# KiCad board panel_r0.1.kicad_pcb (continued)
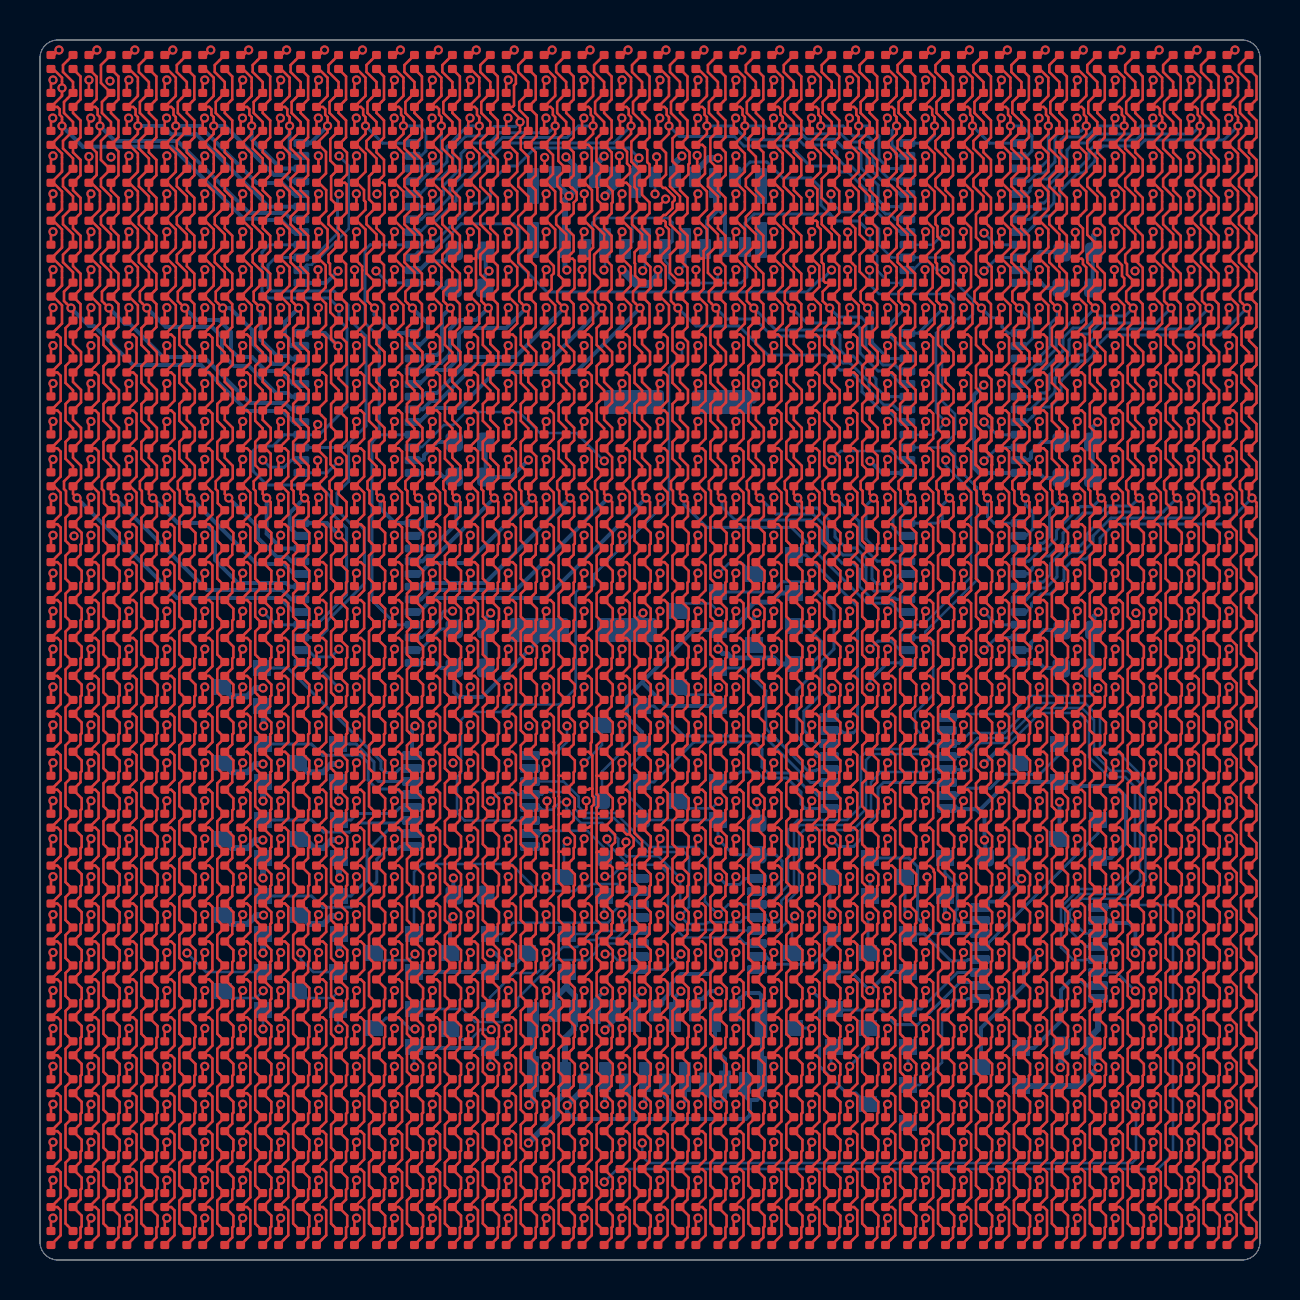
[diagram p0: board, top side]
## Routing (per net, layer and track width the routed paths; a pad name or vN(x,y) marks a point on that pad's centre or on a via; arc(x,y) is an arc through that point) (continued)
  Bottom w0.15: U10.6 42.77,52.03 42.5,52.3 42.28,52.3 41.62,52.97 41.62,53.63 40.55,54.7 40.25,54.7 39.85,55.1 39.85,55.4 39.5,55.75 38.2,55.75 37.94,56.01 35.35,56.01 34.66,56.7 v1(33.35,56.7)
COL_BA18: length 87.3
  Top w0.127: D19.4 34.81,59.55 35.24,59.12 35.24,58.21 D51.4 35.01,57.65 35.13,57.54 35.13,57.26 35.24,57.14 v1(35.24,56.7) 35.24,56.31 D83.4 34.81,55.76 35.24,55.32 35.24,54.41 D115.4 34.81,53.86 35.24,53.43 35.24,52.52 D147.4 34.81,51.96 35.24,51.53 35.24,50.62 D179.4 34.81,50.07 35.24,49.63 35.24,48.72 D211.4 ; 34.81,48.17 35.24,47.74 35.24,46.83 D243.4 35.01,46.27 35.17,46.11 35.17,44.86 D275.4 35.01,44.38 35.17,44.21 35.17,42.96 D307.4 35.01,42.48 35.17,42.32 35.17,41.07 D339.4 35.01,40.58 35.17,40.42 35.17,39.17 D371.4 34.86,38.69 35.17,38.37 35.17,37.27 D403.4 35.01,36.79 35.17,36.63 35.17,35.38 D435.4 35.01,34.89 35.17,34.73 35.17,33.48 D467.4 35.01,33 35.17,32.83 35.17,31.58 D499.4 35.01,31.1 35.17,30.94 35.17,29.69 D531.4 35.01,29.2 35.17,29.04 35.17,27.79 D563.4 35.01,27.31 35.17,27.14 35.17,25.89 D595.4 35.01,25.41 35.17,25.25 35.17,24 D627.4 35.01,23.51 35.17,23.35 35.17,22.1 D659.4 35.01,21.62 35.17,21.45 35.17,20.2 D691.4 35.01,19.72 35.17,19.56 35.17,18.31 D723.4 35.01,17.82 35.17,17.66 35.17,16.41 D755.4 35.01,15.93 35.17,15.76 35.17,14.51 D787.4 35.01,14.03 35.17,13.87 35.17,12.62 D819.4 35.01,12.13 35.17,11.97 35.17,10.72 D851.4 35.01,10.24 35.17,10.07 35.17,8.82 D883.4 35.01,8.34 35.17,8.18 35.17,6.93 D915.4 35.01,6.44 35.17,6.28 35.17,5.03 D947.4 35.01,4.54 35.17,4.38 35.17,3.13 D979.4 35.01,2.65 35.17,2.49 35.17,1.23 D1011.4
  Bottom w0.15: U10.7 42.26,52.67 41.91,53.01 41.91,53.74 41.05,54.6 41.05,55.5 40.95,55.6 40.17,55.6 39.74,56.04 38.34,56.04 38.07,56.31 36.61,56.31 36.22,56.7 v1(35.24,56.7)
COL_BA19: length 84.7
  Top w0.127: D20.4 36.7,59.55 37.14,59.12 37.14,58.21 D52.4 36.91,57.65 37.02,57.54 37.02,57.26 37.14,57.14 v1(37.14,56.7) 37.14,56.31 D84.4 36.7,55.76 37.14,55.32 37.14,54.41 D116.4 36.7,53.86 37.14,53.43 37.14,52.52 D148.4 36.7,51.96 37.14,51.53 37.14,50.62 D180.4 36.7,50.07 37.14,49.63 37.14,48.72 D212.4 ; 36.7,48.17 37.14,47.74 37.14,46.83 D244.4 36.91,46.27 37.07,46.11 37.07,44.86 D276.4 36.91,44.38 37.07,44.21 37.07,42.96 D308.4 36.91,42.48 37.07,42.32 37.07,41.07 D340.4 36.91,40.58 37.07,40.42 37.07,39.17 D372.4 36.75,38.69 37.07,38.37 37.07,37.27 D404.4 36.91,36.79 37.07,36.63 37.07,35.38 D436.4 36.91,34.89 37.07,34.73 37.07,33.48 D468.4 36.91,33 37.07,32.83 37.07,31.58 D500.4 36.91,31.1 37.07,30.94 37.07,29.69 D532.4 36.91,29.2 37.07,29.04 37.07,27.79 D564.4 36.91,27.31 37.07,27.14 37.07,25.89 D596.4 36.91,25.41 37.07,25.25 37.07,24 D628.4 36.91,23.51 37.07,23.35 37.07,22.1 D660.4 36.91,21.62 37.07,21.45 37.07,20.2 D692.4 36.91,19.72 37.07,19.56 37.07,18.31 D724.4 36.91,17.82 37.07,17.66 37.07,16.41 D756.4 36.91,15.93 37.07,15.76 37.07,14.51 D788.4 36.91,14.03 37.07,13.87 37.07,12.62 D820.4 36.91,12.13 37.07,11.97 37.07,10.72 D852.4 36.91,10.24 37.07,10.07 37.07,8.82 D884.4 36.91,8.34 37.07,8.18 37.07,6.93 D916.4 36.91,6.44 37.07,6.28 37.07,5.03 D948.4 36.91,4.54 37.07,4.38 37.07,3.13 D980.4 36.91,2.65 37.07,2.49 37.07,1.23 D1012.4
  Bottom w0.15: U10.8 42.97,53.3 42.57,53.7 42.35,53.7 41.35,54.71 41.35,55.7 41.15,55.9 40.45,55.9 40.04,56.31 38.41,56.31 38.02,56.7 v1(37.14,56.7)
COL_BA20: length 82.2
  Top w0.127: D21.4 38.6,59.55 39.04,59.12 39.04,58.21 D53.4 38.81,57.65 38.92,57.54 38.92,57.26 39.04,57.14 v1(39.04,56.7) 39.04,56.38 38.6,55.94 38.6,55.76 39.04,55.32 39.04,54.41 D117.4 38.54,53.86 38.87,53.53 38.87,52.35 D149.4 38.81,51.96 38.87,51.9 38.87,51.69 39.04,51.53 39.04,50.62 38.6,50.18 38.6,50.07 38.97,49.7 38.97,48.65 D213.4 ; 38.6,48.17 39.04,47.74 39.04,46.83 D245.4 38.81,46.27 38.97,46.11 38.97,44.86 D277.4 38.81,44.38 38.97,44.21 38.97,42.96 D309.4 38.81,42.48 38.97,42.32 38.97,41.07 D341.4 38.81,40.58 38.97,40.42 38.97,39.17 D373.4 38.65,38.69 38.97,38.37 38.97,37.27 D405.4 38.81,36.79 38.97,36.63 38.97,35.38 D437.4 38.81,34.89 38.97,34.73 38.97,33.48 D469.4 38.81,33 38.97,32.83 38.97,31.58 D501.4 38.81,31.1 38.97,30.94 38.97,29.69 D533.4 38.81,29.2 38.97,29.04 38.97,27.79 D565.4 38.81,27.31 38.97,27.14 38.97,25.89 D597.4 38.81,25.41 38.97,25.25 38.97,24 D629.4 38.81,23.51 38.97,23.35 38.97,22.1 D661.4 38.81,21.62 38.97,21.45 38.97,20.2 D693.4 38.81,19.72 38.97,19.56 38.97,18.31 D725.4 38.81,17.82 38.97,17.66 38.97,16.41 D757.4 38.81,15.93 38.97,15.76 38.97,14.51 D789.4 38.81,14.03 38.97,13.87 38.97,12.62 D821.4 38.81,12.13 38.97,11.97 38.97,10.72 D853.4 38.81,10.24 38.97,10.07 38.97,8.82 D885.4 38.81,8.34 38.97,8.18 38.97,6.93 D917.4 38.81,6.44 38.97,6.28 38.97,5.03 D949.4 38.81,4.54 38.97,4.38 38.97,3.13 D981.4 38.81,2.65 38.97,2.49 38.97,1.23 D1013.4
  Bottom w0.15: v1(39.04,56.7) 40.15,56.7 40.65,56.2 41.4,56.2 41.65,55.95 41.65,54.85 42.45,54.05 42.75,54.05 42.86,53.94 U10.9
COL_BA21: length 80.1
  Top w0.127: D22.4 40.5,59.55 40.93,59.12 40.93,58.21 D54.4 40.7,57.65 40.82,57.54 40.82,57.26 40.93,57.14 v1(40.93,56.7) 40.93,56.31 D86.4 40.5,55.76 40.93,55.32 40.93,54.41 D118.4 40.5,53.86 40.93,53.43 40.93,52.52 D150.4 40.77,51.58 40.77,50.45 D182.4 40.77,49.68 40.77,48.56 D214.4 ; 40.5,48.17 40.93,47.74 40.93,46.83 D246.4 40.7,46.27 40.86,46.11 40.86,44.86 D278.4 40.7,44.38 40.86,44.21 40.86,42.96 D310.4 40.7,42.48 40.86,42.32 40.86,41.07 D342.4 40.7,40.58 40.86,40.42 40.86,39.17 D374.4 40.55,38.69 40.86,38.37 40.86,37.27 D406.4 40.7,36.79 40.86,36.63 40.86,35.38 D438.4 40.7,34.89 40.86,34.73 40.86,33.48 D470.4 40.7,33 40.86,32.83 40.86,31.58 D502.4 40.7,31.1 40.86,30.94 40.86,29.69 D534.4 40.7,29.2 40.86,29.04 40.86,27.79 D566.4 40.7,27.31 40.86,27.14 40.86,25.89 D598.4 40.7,25.41 40.86,25.25 40.86,24 D630.4 40.7,23.51 40.86,23.35 40.86,22.1 D662.4 40.7,21.62 40.86,21.45 40.86,20.2 D694.4 40.7,19.72 40.86,19.56 40.86,18.31 D726.4 40.7,17.82 40.86,17.66 40.86,16.41 D758.4 40.7,15.93 40.86,15.76 40.86,14.51 D790.4 40.7,14.03 40.86,13.87 40.86,12.62 D822.4 40.7,12.13 40.86,11.97 40.86,10.72 D854.4 40.7,10.24 40.86,10.07 40.86,8.82 D886.4 40.7,8.34 40.86,8.18 40.86,6.93 D918.4 40.7,6.44 40.86,6.28 40.86,5.03 D950.4 40.7,4.54 40.86,4.38 40.86,3.13 D982.4 40.7,2.65 40.86,2.49 40.86,1.23 D1014.4
  Bottom w0.15: v1(40.93,56.7) 41.45,56.7 41.95,56.2 41.95,55.05 42.43,54.57 U10.10
COL_BA22: length 78.7
  Top w0.127: D23.4 42.39,59.55 42.83,59.12 42.83,58.21 D55.4 42.6,57.65 42.71,57.54 42.71,57.26 42.83,57.14 v1(42.83,56.7) 42.83,56.31 D87.4 42.39,55.76 42.83,55.32 42.83,54.41 D119.4 42.39,53.86 42.83,53.43 42.83,52.52 D151.4 42.39,51.96 42.83,51.53 42.83,50.62 D183.4 42.39,50.07 42.83,49.63 42.83,48.72 D215.4 ; 42.39,48.17 42.83,47.74 42.83,46.83 D247.4 42.6,46.27 42.76,46.11 42.76,44.86 D279.4 42.6,44.38 42.76,44.21 42.76,42.96 D311.4 42.6,42.48 42.76,42.32 42.76,41.07 D343.4 42.6,40.58 42.76,40.42 42.76,39.17 D375.4 42.44,38.69 42.76,38.37 42.76,37.27 D407.4 42.6,36.79 42.76,36.63 42.76,35.38 D439.4 42.6,34.89 42.76,34.73 42.76,33.48 D471.4 42.6,33 42.76,32.83 42.76,31.58 D503.4 42.6,31.1 42.76,30.94 42.76,29.69 D535.4 42.6,29.2 42.76,29.04 42.76,27.79 D567.4 42.6,27.31 42.76,27.14 42.76,25.89 D599.4 42.6,25.41 42.76,25.25 42.76,24 D631.4 42.6,23.51 42.76,23.35 42.76,22.1 D663.4 42.6,21.62 42.76,21.45 42.76,20.2 D695.4 42.6,19.72 42.76,19.56 42.76,18.31 D727.4 42.6,17.82 42.76,17.66 42.76,16.41 D759.4 42.6,15.93 42.76,15.76 42.76,14.51 D791.4 42.6,14.03 42.76,13.87 42.76,12.62 D823.4 42.6,12.13 42.76,11.97 42.76,10.72 D855.4 42.6,10.24 42.76,10.07 42.76,8.82 D887.4 42.6,8.34 42.76,8.18 42.76,6.93 D919.4 42.6,6.44 42.76,6.28 42.76,5.03 D951.4 42.6,4.54 42.76,4.38 42.76,3.13 D983.4 42.6,2.65 42.76,2.49 42.76,1.23 D1015.4
  Bottom w0.15: U10.11 42.87,55.21 42.77,55.3 42.77,55.58 42.6,55.75 42.6,56.47 v1(42.83,56.7)
COL_BA23: length 78.3
  Top w0.127: D24.4 44.29,59.55 44.73,59.12 44.73,58.21 D56.4 44.5,57.65 44.61,57.54 44.61,57.26 44.73,57.14 v1(44.73,56.7) 44.73,56.31 D88.4 44.29,55.76 44.73,55.32 44.73,54.41 D120.4 44.29,53.86 44.73,53.43 44.73,52.52 D152.4 44.29,51.96 44.66,51.6 44.66,50.55 44.29,50.18 44.29,50.07 44.63,49.72 44.63,48.63 D216.4 ; 44.29,48.17 44.73,47.74 44.73,46.83 D248.4 44.5,46.27 44.66,46.11 44.66,44.86 D280.4 44.5,44.38 44.66,44.21 44.66,42.96 D312.4 44.5,42.48 44.66,42.32 44.66,41.07 D344.4 44.5,40.58 44.66,40.42 44.66,39.17 D376.4 44.34,38.69 44.66,38.37 44.66,37.27 D408.4 44.5,36.79 44.66,36.63 44.66,35.38 D440.4 44.5,34.89 44.66,34.73 44.66,33.48 D472.4 44.5,33 44.66,32.83 44.66,31.58 D504.4 44.5,31.1 44.66,30.94 44.66,29.69 D536.4 44.5,29.2 44.66,29.04 44.66,27.79 D568.4 44.5,27.31 44.66,27.14 44.66,25.89 D600.4 44.5,25.41 44.66,25.25 44.66,24 D632.4 44.5,23.51 44.66,23.35 44.66,22.1 D664.4 44.5,21.62 44.66,21.45 44.66,20.2 D696.4 44.17,19.68 44.2,19.7 44.5,19.7 44.69,19.51 44.69,19.41 44.73,19.37 44.73,18.38 D728.4 44.5,17.82 44.66,17.66 44.66,16.41 D760.4 44.5,15.93 44.66,15.76 44.66,14.51 D792.4 44.5,14.03 44.66,13.87 44.66,12.62 D824.4 44.5,12.13 44.66,11.97 44.66,10.72 D856.4 44.5,10.24 44.66,10.07 44.66,8.82 D888.4 44.5,8.34 44.66,8.18 44.66,6.93 D920.4 44.5,6.44 44.66,6.28 44.66,5.03 D952.4 44.5,4.54 44.66,4.38 44.66,3.13 D984.4 44.5,2.65 44.66,2.49 44.66,1.23 D1016.4
  Bottom w0.15: U10.12 44.34,55.84 44.73,56.23 v1(44.73,56.7)
COL_BA24: length 79.1
  Top w0.127: D25.4 46.19,59.55 46.62,59.12 46.62,58.21 D57.4 46.39,57.65 46.51,57.54 46.51,57.26 46.62,57.14 v1(46.62,56.7) 46.62,56.31 D89.4 46.19,55.76 46.62,55.32 46.62,54.41 D121.4 46.19,53.86 46.62,53.43 46.62,52.52 D153.4 46.19,51.96 46.55,51.6 46.55,50.55 D185.4 46.19,50.07 46.55,49.7 46.55,48.65 D217.4 ; 46.19,48.17 46.62,47.74 46.62,46.83 D249.4 46.39,46.27 46.55,46.11 46.55,44.86 D281.4 46.39,44.38 46.55,44.21 46.55,42.96 D313.4 46.39,42.48 46.55,42.32 46.55,41.07 D345.4 46.39,40.58 46.55,40.42 46.55,39.17 D377.4 46.24,38.69 46.55,38.37 46.55,37.27 D409.4 46.39,36.79 46.55,36.63 46.55,35.38 D441.4 46.39,34.89 46.55,34.73 46.55,33.48 D473.4 46.39,33 46.55,32.83 46.55,31.58 D505.4 46.39,31.1 46.55,30.94 46.55,29.69 D537.4 46.39,29.2 46.55,29.04 46.55,27.79 D569.4 46.39,27.31 46.55,27.14 46.55,25.89 D601.4 46.39,25.41 46.55,25.25 46.55,24 D633.4 46.39,23.51 46.55,23.35 46.55,22.1 D665.4 46.39,21.62 46.55,21.45 46.55,20.2 D697.4 46.39,19.72 46.55,19.56 46.55,18.31 D729.4 46.39,17.82 46.55,17.66 46.55,16.41 D761.4 46.39,15.93 46.55,15.76 46.55,14.51 D793.4 46.39,14.03 46.55,13.87 46.55,12.62 D825.4 46.39,12.13 46.55,11.97 46.55,10.72 D857.4 46.39,10.24 46.55,10.07 46.55,8.82 D889.4 46.39,8.34 46.55,8.18 46.55,6.93 D921.4 46.39,6.44 46.55,6.28 46.55,5.03 D953.4 46.39,4.54 46.55,4.38 46.55,3.13 D985.4 46.39,2.65 46.55,2.49 46.55,1.23 D1017.4
  Bottom w0.15: U10.13 47.48,55.84 v1(46.62,56.7)
COL_BA25: length 79.3
  Top w0.127: D26.4 48.08,59.55 48.52,59.12 48.52,58.21 D58.4 48.29,57.65 48.4,57.54 48.4,57.26 48.52,57.14 v1(48.52,56.7) 48.52,56.31 D90.4 48.08,55.76 48.52,55.32 48.52,54.41 D122.4 48.08,53.86 48.52,53.43 48.52,52.52 D154.4 48.08,51.96 48.52,51.53 48.52,50.62 D186.4 48.08,50.07 48.52,49.63 48.52,48.72 D218.4 ; 48.08,48.17 48.52,47.74 48.52,46.83 D250.4 48.29,46.27 48.45,46.11 48.45,44.86 D282.4 48.29,44.38 48.45,44.21 48.45,42.96 D314.4 48.29,42.48 48.45,42.32 48.45,41.07 D346.4 48.29,40.58 48.45,40.42 48.45,39.17 D378.4 48.13,38.69 48.45,38.37 48.45,37.27 D410.4 48.29,36.79 48.45,36.63 48.45,35.38 D442.4 48.29,34.89 48.45,34.73 48.45,33.48 D474.4 48.29,33 48.45,32.83 48.45,31.58 D506.4 48.29,31.1 48.45,30.94 48.45,29.69 D538.4 48.29,29.2 48.45,29.04 48.45,27.79 D570.4 48.29,27.31 48.45,27.14 48.45,25.89 D602.4 48.29,25.41 48.45,25.25 48.45,24 D634.4 48.29,23.51 48.45,23.35 48.45,22.1 D666.4 48.29,21.62 48.45,21.45 48.45,20.2 D698.4 48.29,19.72 48.45,19.56 48.45,18.31 D730.4 48.29,17.82 48.45,17.66 48.45,16.41 D762.4 48.29,15.93 48.45,15.76 48.45,14.51 D794.4 48.29,14.03 48.45,13.87 48.45,12.62 D826.4 48.29,12.13 48.45,11.97 48.45,10.72 D858.4 48.29,10.24 48.45,10.07 48.45,8.82 D890.4 48.29,8.34 48.45,8.18 48.45,6.93 D922.4 48.29,6.44 48.45,6.28 48.45,5.03 D954.4 48.29,4.54 48.45,4.38 48.45,3.13 D986.4 48.29,2.65 48.45,2.49 48.45,1.23 D1018.4
  Bottom w0.15: U10.14 49.36,55.21 49.6,55.45 49.6,56.2 49.1,56.7 v1(48.52,56.7)
COL_BA26: length 79.9
  Top w0.127: D27.4 49.98,59.55 50.42,59.12 50.42,58.21 D59.4 50.19,57.65 50.3,57.54 50.3,57.26 50.42,57.14 v1(50.42,56.7) 50.42,56.31 D91.4 49.98,55.76 50.42,55.32 50.42,54.41 D123.4 49.98,53.86 50.42,53.43 50.42,52.52 D155.4 49.98,51.96 50.42,51.53 50.42,50.62 D187.4 49.98,50.07 50.42,49.63 50.42,48.72 D219.4 ; 49.98,48.17 50.42,47.74 50.42,46.83 D251.4 50.19,46.27 50.35,46.11 50.35,44.86 D283.4 50.19,44.38 50.35,44.21 50.35,42.96 D315.4 50.19,42.48 50.35,42.32 50.35,41.07 D347.4 50.19,40.58 50.35,40.42 50.35,39.17 D379.4 50.03,38.69 50.35,38.37 50.35,37.27 D411.4 50.19,36.79 50.35,36.63 50.35,35.38 D443.4 50.19,34.89 50.35,34.73 50.35,33.48 D475.4 50.19,33 50.35,32.83 50.35,31.58 D507.4 50.19,31.1 50.35,30.94 50.35,29.69 D539.4 50.19,29.2 50.35,29.04 50.35,27.79 D571.4 50.19,27.31 50.35,27.14 50.35,25.89 D603.4 50.19,25.41 50.35,25.25 50.35,24 D635.4 50.19,23.51 50.35,23.35 50.35,22.1 D667.4 50.19,21.62 50.35,21.45 50.35,20.2 D699.4 50.19,19.72 50.35,19.56 50.35,18.31 D731.4 50.19,17.82 50.35,17.66 50.35,16.41 D763.4 50.19,15.93 50.35,15.76 50.35,14.51 D795.4 50.19,14.03 50.35,13.87 50.35,12.62 D827.4 50.19,12.13 50.35,11.97 50.35,10.72 D859.4 50.19,10.24 50.35,10.07 50.35,8.82 D891.4 50.19,8.34 50.35,8.18 50.35,6.93 D923.4 50.19,6.44 50.35,6.28 50.35,5.03 D955.4 50.19,4.54 50.35,4.38 50.35,3.13 D987.4 50.19,2.65 50.35,2.49 50.35,1.23 D1019.4
  Bottom w0.15: v1(50.42,56.7) 50.42,55.02 50.1,54.7 49.7,54.7 49.57,54.57 U10.15
COL_BA27: length 81.7
  Top w0.127: D28.4 51.88,59.55 52.31,59.12 52.31,58.21 D60.4 52.08,57.65 52.2,57.54 52.2,57.26 52.31,57.14 v1(52.31,56.7) 52.31,56.31 D92.4 51.88,55.76 52.31,55.32 52.31,54.41 D124.4 51.88,53.86 52.31,53.43 52.31,52.52 D156.4 52.15,51.58 52.15,50.45 D188.4 52.08,50.07 52.15,50 52.15,49.8 52.31,49.63 52.31,48.72 D220.4 ; 51.88,48.17 52.31,47.74 52.31,46.83 D252.4 52.08,46.27 52.25,46.11 52.25,44.86 D284.4 52.08,44.38 52.25,44.21 52.25,42.96 D316.4 52.08,42.48 52.25,42.32 52.25,41.07 D348.4 52.08,40.58 52.25,40.42 52.25,39.17 D380.4 51.93,38.69 52.25,38.37 52.25,37.27 D412.4 52.08,36.79 52.25,36.63 52.25,35.38 D444.4 52.08,34.89 52.25,34.73 52.25,33.48 D476.4 52.08,33 52.25,32.83 52.25,31.58 D508.4 52.08,31.1 52.25,30.94 52.25,29.69 D540.4 52.08,29.2 52.25,29.04 52.25,27.79 D572.4 52.08,27.31 52.25,27.14 52.25,25.89 D604.4 52.08,25.41 52.25,25.25 52.25,24 D636.4 52.08,23.51 52.25,23.35 52.25,22.1 D668.4 52.08,21.62 52.25,21.45 52.25,20.2 D700.4 52.08,19.72 52.25,19.56 52.25,18.31 D732.4 52.08,17.82 52.25,17.66 52.25,16.41 D764.4 52.08,15.93 52.25,15.76 52.25,14.51 D796.4 52.08,14.03 52.25,13.87 52.25,12.62 D828.4 52.08,12.13 52.25,11.97 52.25,10.72 D860.4 52.08,10.24 52.25,10.07 52.25,8.82 D892.4 52.08,8.34 52.25,8.18 52.25,6.93 D924.4 52.08,6.44 52.25,6.28 52.25,5.03 D956.4 52.08,4.54 52.25,4.38 52.25,3.13 D988.4 52.08,2.65 52.25,2.49 52.25,1.23 D1020.4
  Bottom w0.15: U10.16 49.44,53.94 49.85,54.35 50.2,54.35 50.75,54.9 50.75,56.15 51.05,56.45 52.05,56.45 v1(52.31,56.7)
COL_BA28: length 84
  Top w0.127: D29.4 53.77,59.55 54.21,59.12 54.21,58.21 D61.4 53.98,57.65 54.09,57.54 54.09,57.26 54.21,57.14 v1(54.21,56.7) 54.21,56.31 D93.4 53.77,55.76 54.21,55.32 54.21,54.41 D125.4 53.77,53.86 54.21,53.43 54.21,52.52 D157.4 53.77,51.96 54.21,51.53 54.21,50.62 D189.4 53.77,50.07 54.1,49.74 54.1,49.2 54.21,49.09 54.21,48.72 D221.4 ; 53.77,48.17 54.21,47.74 54.21,46.83 D253.4 53.98,46.27 54.14,46.11 54.14,44.86 D285.4 53.98,44.38 54.14,44.21 54.14,42.96 D317.4 53.98,42.48 54.14,42.32 54.14,41.07 D349.4 53.98,40.58 54.14,40.42 54.14,39.17 D381.4 53.82,38.69 54.14,38.37 54.14,37.27 D413.4 53.98,36.79 54.14,36.63 54.14,35.38 D445.4 53.98,34.89 54.14,34.73 54.14,33.48 D477.4 53.98,33 54.14,32.83 54.14,31.58 D509.4 53.98,31.1 54.14,30.94 54.14,29.69 D541.4 53.98,29.2 54.14,29.04 54.14,27.79 D573.4 53.98,27.31 54.14,27.14 54.14,25.89 D605.4 53.98,25.41 54.14,25.25 54.14,24 D637.4 53.98,23.51 54.14,23.35 54.14,22.1 D669.4 53.98,21.62 54.14,21.45 54.14,20.2 D701.4 53.98,19.72 54.14,19.56 54.14,18.31 D733.4 53.98,17.82 54.14,17.66 54.14,16.41 D765.4 53.98,15.93 54.14,15.76 54.14,14.51 D797.4 53.98,14.03 54.14,13.87 54.14,12.62 D829.4 53.98,12.13 54.14,11.97 54.14,10.72 D861.4 53.98,10.24 54.14,10.07 54.14,8.82 D893.4 53.98,8.34 54.14,8.18 54.14,6.93 D925.4 53.98,6.44 54.14,6.28 54.14,5.03 D957.4 53.98,4.54 54.14,4.38 54.14,3.13 D989.4 53.98,2.65 54.14,2.49 54.14,1.23 D1021.4
  Bottom w0.15: U10.17 49.35,53.3 49.5,53.45 49.5,53.6 49.95,54.05 50.35,54.05 51.05,54.75 51.05,56 51.2,56.15 52.35,56.15 52.9,56.7 v1(54.21,56.7)
COL_BA29: length 86.2
  Top w0.127: D30.4 55.67,59.55 56.11,59.12 56.11,58.21 D62.4 55.88,57.65 55.99,57.54 55.99,57.26 56.11,57.14 v1(56.11,56.7) 56.11,56.31 D94.4 55.67,55.76 56.11,55.32 56.11,54.41 D126.4 55.67,53.86 56.11,53.43 56.11,52.52 D158.4 55.67,51.96 56.11,51.53 56.11,50.62 D190.4 55.67,50.07 56.11,49.63 56.11,48.72 D222.4 ; 55.67,48.17 56.11,47.74 56.11,46.83 D254.4 55.88,46.27 56.04,46.11 56.04,44.86 D286.4 55.88,44.38 56.04,44.21 56.04,42.96 D318.4 55.88,42.48 56.04,42.32 56.04,41.07 D350.4 55.88,40.58 56.04,40.42 56.04,39.17 D382.4 55.72,38.69 56.04,38.37 56.04,37.27 D414.4 55.88,36.79 56.04,36.63 56.04,35.38 D446.4 55.88,34.89 56.04,34.73 56.04,33.48 D478.4 55.88,33 56.04,32.83 56.04,31.58 D510.4 55.88,31.1 56.04,30.94 56.04,29.69 D542.4 55.88,29.2 56.04,29.04 56.04,27.79 D574.4 55.88,27.31 56.04,27.14 56.04,25.89 D606.4 55.88,25.41 56.04,25.25 56.04,24 D638.4 55.88,23.51 56.04,23.35 56.04,22.1 D670.4 55.88,21.62 56.04,21.45 56.04,20.2 D702.4 55.88,19.72 56.04,19.56 56.04,18.31 D734.4 55.88,17.82 56.04,17.66 56.04,16.41 D766.4 55.88,15.93 56.04,15.76 56.04,14.51 D798.4 55.88,14.03 56.04,13.87 56.04,12.62 D830.4 55.88,12.13 56.04,11.97 56.04,10.72 D862.4 55.88,10.24 56.04,10.07 56.04,8.82 D894.4 55.88,8.34 56.04,8.18 56.04,6.93 D926.4 55.88,6.44 56.04,6.28 56.04,5.03 D958.4 55.88,4.54 56.04,4.38 56.04,3.13 D990.4 55.88,2.65 56.04,2.49 56.04,1.23 D1022.4
  Bottom w0.15: U10.18 49.67,52.67 49.85,52.85 50.2,52.85 50.4,53.05 50.4,53.7 51.35,54.65 51.35,55.5 51.7,55.85 52.4,55.85 52.85,56.3 54.65,56.3 55.05,56.7 v1(56.11,56.7)
COL_BA30: length 88.2
  Top w0.127: D31.4 57.57,59.55 58,59.12 58,58.21 D63.4 57.77,57.65 57.89,57.54 57.89,57.26 58,57.14 v1(58,56.7) 58,56.31 D95.4 57.57,55.76 58,55.32 58,54.41 D127.4 57.57,53.86 58,53.43 58,52.52 D159.4 57.57,51.96 58,51.53 58,50.62 D191.4 57.57,50.07 58,49.63 58,48.72 D223.4 ; 57.57,48.17 58,47.74 58,46.83 D255.4 57.77,46.27 57.94,46.11 57.94,44.86 D287.4 57.77,44.38 57.94,44.21 57.94,42.96 D319.4 57.77,42.48 57.94,42.32 57.94,41.07 D351.4 57.77,40.58 57.94,40.42 57.94,39.17 D383.4 57.62,38.69 57.94,38.37 57.94,37.27 D415.4 57.77,36.79 57.94,36.63 57.94,35.38 D447.4 57.77,34.89 57.94,34.73 57.94,33.48 D479.4 57.77,33 57.94,32.83 57.94,31.58 D511.4 57.77,31.1 57.94,30.94 57.94,29.69 D543.4 57.77,29.2 57.94,29.04 57.94,27.79 D575.4 57.77,27.31 57.94,27.14 57.94,25.89 D607.4 57.77,25.41 57.94,25.25 57.94,24 D639.4 57.77,23.51 57.94,23.35 57.94,22.1 D671.4 57.77,21.62 57.94,21.45 57.94,20.2 D703.4 57.77,19.72 57.94,19.56 57.94,18.31 D735.4 57.77,17.82 57.94,17.66 57.94,16.41 D767.4 57.77,15.93 57.94,15.76 57.94,14.51 D799.4 57.77,14.03 57.94,13.87 57.94,12.62 D831.4 57.77,12.13 57.94,11.97 57.94,10.72 D863.4 57.77,10.24 57.94,10.07 57.94,8.82 D895.4 57.77,8.34 57.94,8.18 57.94,6.93 D927.4 57.77,6.44 57.94,6.28 57.94,5.03 D959.4 57.77,4.54 57.94,4.38 57.94,3.13 D991.4 57.77,2.65 57.94,2.49 57.94,1.23 D1023.4
  Bottom w0.15: v1(58,56.7) 57.6,56.3 55.1,56.3 54.8,56 53,56 52.45,55.45 52.45,55.1 52,54.65 51.75,54.65 50.7,53.6 50.7,52.85 50.4,52.55 50,52.55 49.48,52.03 U10.19
COL_BA31: length 88
  Top w0.127: D32.4 59.46,59.55 59.9,59.12 59.9,58.21 D64.4 59.67,57.65 59.78,57.54 59.78,57.26 59.9,57.14 v1(59.9,56.7) 59.9,56.31 D96.4 59.46,55.76 59.9,55.32 59.9,54.41 D128.4 59.46,53.86 59.9,53.43 59.9,52.52 D160.4 59.46,51.96 59.9,51.53 59.9,50.62 D192.4 59.46,50.07 59.9,49.63 59.9,48.72 D224.4 ; 59.46,48.17 59.9,47.74 59.9,46.83 D256.4 59.67,46.27 59.83,46.11 59.83,44.86 D288.4 59.67,44.38 59.83,44.21 59.83,42.96 D320.4 59.67,42.48 59.83,42.32 59.83,41.07 D352.4 59.67,40.58 59.83,40.42 59.83,39.17 D384.4 59.51,38.69 59.83,38.37 59.83,37.27 D416.4 59.46,36.79 59.83,36.42 59.83,35.38 D448.4 59.46,34.89 59.83,34.53 59.83,33.48 D480.4 59.46,33 59.83,32.63 59.83,31.58 D512.4 59.46,31.1 59.83,30.73 59.83,29.69 D544.4 59.46,29.2 59.83,28.84 59.83,27.79 D576.4 59.46,27.31 59.83,26.94 59.83,25.89 D608.4 59.46,25.41 59.83,25.04 59.83,24 D640.4 59.46,23.51 59.83,23.14 59.83,22.1 D672.4 59.46,21.62 59.83,21.25 59.83,20.2 D704.4 59.46,19.72 59.83,19.35 59.83,18.31 D736.4 59.46,17.82 59.83,17.45 59.83,16.41 D768.4 59.46,15.93 59.83,15.56 59.83,14.51 D800.4 59.46,14.03 59.83,13.66 59.83,12.62 D832.4 59.46,12.13 59.83,11.76 59.83,10.72 D864.4 59.46,10.24 59.83,9.87 59.83,8.82 D896.4 59.46,8.34 59.83,7.97 59.83,6.93 D928.4 59.46,6.44 59.83,6.07 59.83,5.03 D960.4 59.46,4.54 59.83,4.18 59.83,3.13 D992.4 59.46,2.65 59.83,2.28 59.83,1.23 D1024.4
  Bottom w0.15: U10.20 49.37,51.4 50.17,52.2 50.5,52.2 51,52.7 51,53.45 51.9,54.35 52.15,54.35 52.75,54.95 52.75,55.3 53.15,55.7 54.95,55.7 55.25,56 59.2,56 v1(59.9,56.7)
COL_GA0: length 83
  Top w0.127: D993.3 2.03,1.13 2.03,1.62 2.08,1.68 2.08,2.22 D961.3 2.03,3.02 2.03,3.52 2.08,3.58 2.08,4.11 D929.3 2.03,4.92 2.03,5.42 2.08,5.47 2.08,6.01 D897.3 2.03,6.82 2.03,7.31 2.08,7.37 2.08,7.91 D865.3 2.03,8.71 2.03,9.21 2.08,9.27 2.08,9.8 D833.3 2.03,10.61 2.03,11.11 2.08,11.16 2.08,11.7 D801.3 2.03,12.51 2.03,13 2.08,13.06 2.08,13.6 D769.3 2.03,14.4 2.03,14.9 2.08,14.96 2.08,15.49 D737.3 2.03,16.3 2.03,16.8 2.08,16.85 2.08,17.39 D705.3 2.03,18.2 2.03,18.69 2.08,18.75 2.08,19.29 D673.3 2.03,20.09 2.03,20.59 2.08,20.65 2.08,21.18 D641.3 2.03,21.99 2.03,22.49 2.08,22.54 2.08,23.08 D609.3 2.03,23.89 2.03,24.38 2.08,24.44 2.08,24.98 D577.3 2.03,25.78 2.03,26.28 2.08,26.34 2.08,26.87 D545.3 2.03,27.68 2.03,28.18 2.08,28.23 2.08,28.77 D513.3 2.03,29.58 2.03,30.07 2.08,30.13 2.08,30.67 D481.3 2.03,31.47 2.03,31.97 2.08,32.03 2.08,32.57 D449.3 2.03,33.37 2.03,33.87 2.08,33.92 2.08,34.46 D417.3 2.03,35.27 2.03,35.76 2.08,35.82 2.08,36.36 D385.3 2.05,37.19 2.05,37.9 v1(1.85,38.1) 1.65,38.3 D353.3 2.05,39.09 2.05,39.71 1.65,40.11 D321.3 2.05,40.98 2.05,41.61 1.65,42.01 D289.3 2.05,42.88 2.05,43.5 1.65,43.9 D257.3 2.05,44.78 2.05,45.4 1.65,45.8 D225.3 2.03,46.65 2.03,47.8 D193.3 2.03,48.54 2.03,49.32 1.65,49.69 D161.3 2.03,50.44 2.03,51.21 1.65,51.59 D129.3 2.03,52.34 2.03,53.11 1.65,53.49 D97.3 2.03,54.23 2.03,55.01 1.65,55.38 D65.3 2.03,56.13 2.03,56.98 1.65,57.35 D33.3 2.03,58.03 2.03,59.18 D1.3
  Bottom w0.2: U5.5 12.7,32.4 12,33.1 6.85,33.1 v1(1.85,38.1)
COL_GA1: length 80.9
  Top w0.127: D2.3 3.92,59.18 3.92,58.03 D34.3 3.55,57.35 3.92,56.98 3.92,56.13 D66.3 3.59,55.76 3.92,55.43 3.92,54.23 D98.3 3.55,53.49 3.92,53.11 3.92,52.34 D130.3 3.55,51.59 3.92,51.21 3.92,50.44 D162.3 3.55,49.69 3.92,49.32 3.92,48.54 D194.3 3.92,47.8 3.92,46.65 D226.3 3.55,45.8 3.95,45.4 3.95,44.78 D258.3 3.55,43.9 3.95,43.5 3.95,42.88 D290.3 3.55,42.01 3.95,41.61 3.95,40.98 D322.3 3.55,40.11 3.95,39.71 3.95,39.09 D354.3 3.55,38.3 v1(3.75,38.1) 3.95,37.9 3.95,37.19 D386.3 3.98,36.36 3.98,35.82 3.92,35.76 3.92,35.27 D418.3 3.98,34.46 3.98,33.92 3.92,33.87 3.92,33.37 D450.3 3.98,32.57 3.98,32.03 3.92,31.97 3.92,31.47 D482.3 3.98,30.67 3.98,30.13 3.92,30.07 3.92,29.58 D514.3 3.98,28.77 3.98,28.23 3.92,28.18 3.92,27.68 D546.3 3.98,26.87 3.98,26.34 3.92,26.28 3.92,25.78 D578.3 3.98,24.98 3.98,24.44 3.92,24.38 3.92,23.89 D610.3 3.98,23.08 3.98,22.54 3.92,22.49 3.92,21.99 D642.3 3.98,21.18 3.98,20.65 3.92,20.59 3.92,20.09 D674.3 3.98,19.29 3.98,18.75 3.92,18.69 3.92,18.2 D706.3 3.98,17.39 3.98,16.85 3.92,16.8 3.92,16.3 D738.3 3.98,15.49 3.98,14.96 3.92,14.9 3.92,14.4 D770.3 3.98,13.6 3.98,13.06 3.92,13 3.92,12.51 D802.3 3.98,11.7 3.98,11.16 3.92,11.11 3.92,10.61 D834.3 3.98,9.8 3.98,9.27 3.92,9.21 3.92,8.71 D866.3 3.98,7.91 3.98,7.37 3.92,7.31 3.92,6.82 D898.3 3.98,6.01 3.98,5.47 3.92,5.42 3.92,4.92 D930.3 3.98,4.11 3.98,3.58 3.92,3.52 3.92,3.02 D962.3 3.98,2.22 3.98,1.68 3.92,1.62 3.92,1.13 D994.3
  Bottom w0.2: v1(3.75,38.1) 8.35,33.5 12.1,33.5 12.57,33.03 U5.6
